# Altium PCB Mother_board_SSL2018.PcbDoc (part 2 of 2)
Units mm, origin at the board's own origin, x right, y up, seen from the top; angles counter-clockwise.
Board outline 169 x 150.57 mm, 2 copper layers (Top Layer, Bottom Layer), stack 1.57 mm thick; 100 components, 103 nets, 445 pads, 331 vias.
Unrouted connection lines stored in the file: 4.
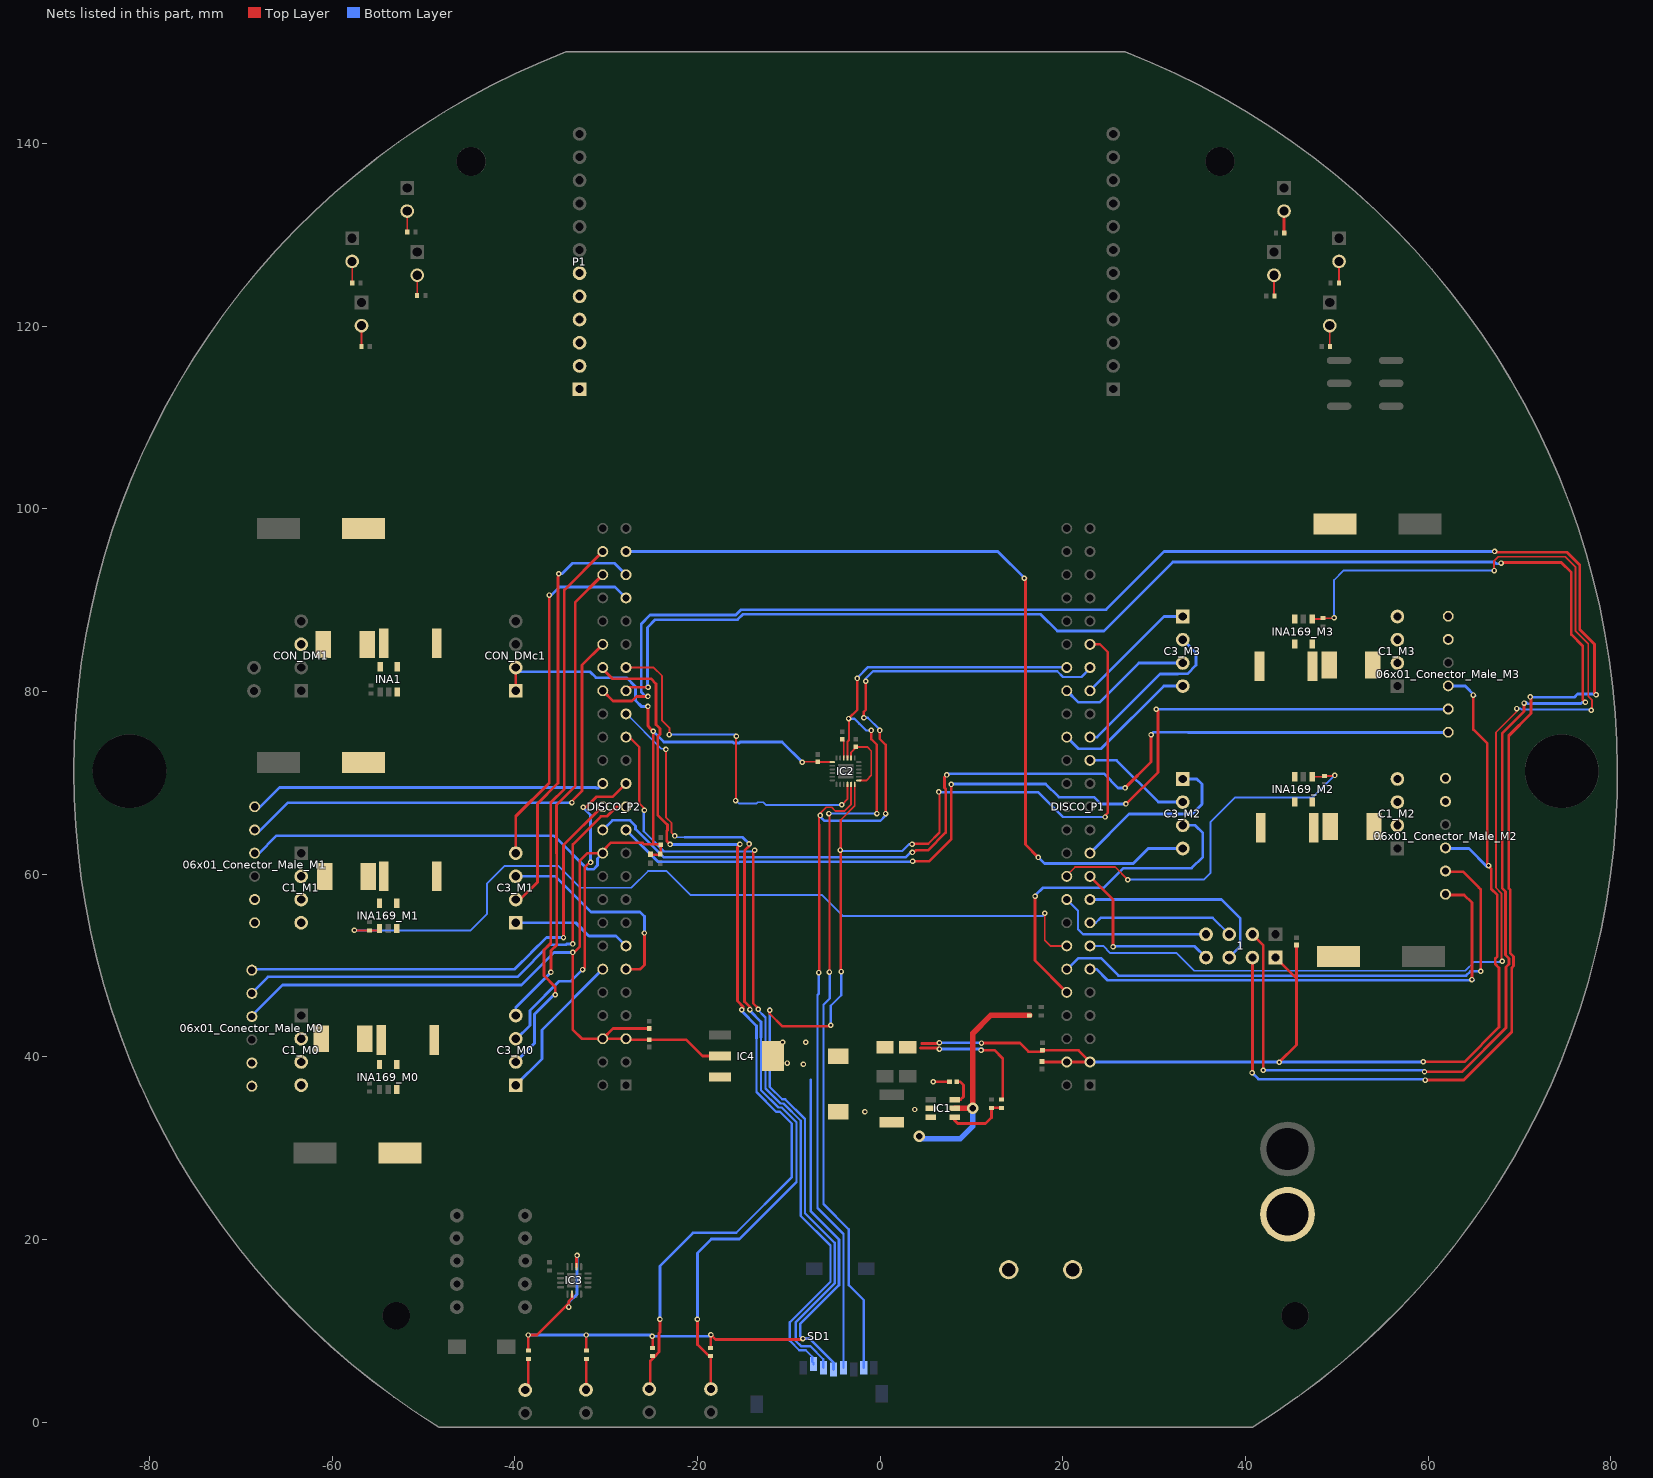
[diagram p2: the nets of this part, all layers, seen from the top]

## Via types
v1: diameter 0.6, hole 0.3, Top Layer to Bottom Layer, 167 vias
v2: diameter 0.8, hole 0.6, Top Layer to Bottom Layer, 160 vias
v3: diameter 1.27, hole 0.711, Top Layer to Bottom Layer, 4 vias

## Nets (pads, with @x,y where several pads share a name; then routed paths per layer and width w, separated by ;. In a path a pad name is that pad's centre, name@x,y a point inside that pad or via, vN(x,y) a via of type N, cw(c..) or ccw(c..) an arc to the next point about the centre after c; other vN are vias at no path point) (continued)
M0_ENCA: 06x01_Conector_Male_M0.5 DISCO_P2.25 | length 55.7
  Top Layer w0.3: v1(-33.638,52.351) -33.638,60.923 -33.638,63.262 -30.577,66.323 -29.928,66.323 -28.878,67.374 DISCO_P2.25@-27.823,67.374
  Bottom Layer w0.3: 06x01_Conector_Male_M0.5@-68.717,47.054 -67.017,48.754 -39.702,48.754 -36.177,52.279 -34.377,52.279 -34.305,52.351 v1(-33.638,52.351)
M0_ENCB: 06x01_Conector_Male_M0.6 DISCO_P2.26 | length 51.6
  Top Layer w0.3: v1(-34.663,53.054) -34.663,63.169 -30.458,67.374 DISCO_P2.26@-30.363,67.374
  Bottom Layer w0.3: 06x01_Conector_Male_M0.6@-68.717,49.594 -39.998,49.594 -38.188,51.404
  Bottom Layer w0.32: -38.188,51.404 -36.538,53.054 v1(-34.663,53.054)
M0_MAH: C3_M0.0 DISCO_P2.46 | length 52.4
  Top Layer w0.3: v1(-36.038,49.254) -36.038,51.618 -35.4,52.256 -35.4,52.73 -35.413,52.743 -35.413,53.364 -35.4,53.377 -35.4,62.266 -35.425,62.291 -35.425,67.567 -33.383,69.609 -33.383,89.754 DISCO_P2.46@-30.363,92.774
  Bottom Layer w0.3: C3_M0.0@-39.888,44.514 -39.888,45.404 v1(-36.038,49.254) v1@-36.038,49.404
M0_MAL: C3_M0.1 DISCO_P2.27 | length 35.6
  Top Layer w0.3: v1(-32.575,49.55) -32.35,49.775 -32.35,60.725 v1@-31.75,61.325 ; v1(-32.5,67.325) -32.175,67.325 -31.025,68.475 -29.262,68.475 DISCO_P2.27@-27.823,69.914
  Bottom Layer w0.3: C3_M0.1@-39.888,41.974 -39.801,41.974 -38.338,43.437 -38.338,45.064 -35.127,48.275 -33.85,48.275 v1(-32.575,49.55) ; v1@-32.475,67.25 -31.7,66.475 v1(-31.7,61.275)
M0_MBH: C3_M0.2 DISCO_P2.48 | length 61.6
  Top Layer w0.3: v1(-35.563,46.779) -35.563,47.654 -36.788,48.879 -36.788,51.704 -36.063,52.429 -36.063,67.829 -34.568,69.324 -34.568,91.109 DISCO_P2.48@-30.363,95.314
  Bottom Layer w0.3: C3_M0.2@-39.383,39.434 C3_M0.2@-39.888,39.434 -37.838,41.484 -37.838,44.654 -35.563,46.929 v1(-35.563,46.779)
M0_MBL: C3_M0.3 DISCO_P2.12 | length 16.6
  Bottom Layer w0.3: C3_M0.3@-39.888,36.894 -37.013,39.769 -37.013,42.944 DISCO_P2.12@-30.363,49.594
M1_CUR: DISCO_P1.14 INA169_M1.1 R10_M1.2 | length 92.5
  Top Layer w0.2: v1(-57.557,53.843) R10_M1.2@-55.89,53.843 -55.026,53.843 INA169_M1.1@-54.808,54.061 ; v1(18.025,55.725) 18.025,52.75 18.641,52.134 DISCO_P1.14@20.437,52.134
  Bottom Layer w0.2: v1(-57.557,53.843) -44.832,53.843 -43.05,55.625 -43.05,58.95 -41.096,60.904 -35.229,60.904 -32.825,58.5 -27.225,58.5 -27.225,58.515 -25.415,60.325 -23.375,60.325 -20.772,57.722 -6.397,57.722 -4.1,55.425 17.825,55.425
M1_ENCA: 06x01_Conector_Male_M1.5 DISCO_P2.40 | length 54.5
  Top Layer w0.3: v1(-33.738,67.829) -33.738,67.998 -32.638,69.098 -32.638,82.879 DISCO_P2.40@-30.363,85.154
  Bottom Layer w0.3: 06x01_Conector_Male_M1.5@-68.336,64.707 -67.96,64.707 -64.863,67.804 v1@-33.813,67.804
M1_ENCB: 06x01_Conector_Male_M1.6 DISCO_P2.28 | length 39.1
  Bottom Layer w0.3: 06x01_Conector_Male_M1.6@-68.336,67.247 -67.995,67.247 -65.767,69.475 -31.121,69.475 -31.069,69.422 -30.854,69.422 DISCO_P2.28@-30.363,69.914
M1_MAH: C3_M1.0 DISCO_P2.43 | length 39.1
  Top Layer w0.3: C3_M1.0@-39.888,62.294 -39.888,66.329 -36.213,70.004 v1(-36.213,90.554) v1@-36.213,90.629
  Bottom Layer w0.3: v1(-36.213,90.554) -35.988,90.554 -35.113,91.429 -29.018,91.429 DISCO_P2.43@-27.823,90.234
M1_MAL: C3_M1.1 DISCO_P2.11 | length 23.2
  Top Layer w0.3: DISCO_P2.11@-27.823,49.594 -26.25,49.594 -26.25,49.6 -25.8,50.05 v1@-25.8,53.35
  Bottom Layer w0.3: C3_M1.1@-39.888,59.754 -35.554,59.754 -31.654,55.854 -26.275,55.854 -25.8,55.379 v1(-25.8,53.55)
M1_MBH: C3_M1.2 DISCO_P2.45 | length 45.9
  Top Layer w0.3: C3_M1.2@-39.888,57.214 -39.403,57.214 -37.513,59.104 -37.513,67.704 -35.263,69.954 -35.263,92.529
  Bottom Layer w0.3: v1(-35.188,92.879) -34.838,92.879 -33.688,94.029 -29.078,94.029 DISCO_P2.45@-27.823,92.774
M1_MBL: C3_M1.3 DISCO_P2.13 | length 13.1
  Bottom Layer w0.32: C3_M1.3@-39.888,54.674 -33.333,54.674 -31.888,53.229 -28.918,53.229 DISCO_P2.13@-27.823,52.134
M2_CUR: DISCO_P1.20 INA169_M2.1 R10_M2.2 | length 40.7
  Top Layer w0.2: DISCO_P1.20@20.437,59.754 20.437,59.862 21.35,60.775 25.725,60.775 v1(27.125,59.375) ; INA169_M2.1@47.295,70.654 48.54,70.654 R10_M2.2@48.631,70.745 v1@49.696,70.745
  Bottom Layer w0.2: v1@27.25,59.4 35.45,59.4 36.175,60.125 36.175,65.725 38.825,68.375 47.333,68.375 v1(49.762,70.804)
M2_ENCA: 06x01_Conector_Male_M2.5 DISCO_P1.12 | length 60.3
  Top Layer w0.3: 06x01_Conector_Male_M2.5@62.093,60.262 63.829,60.262 65.562,58.529 65.55,58.517 65.75,58.317 v1(65.75,49.35)
  Bottom Layer w0.3: DISCO_P1.12@20.437,49.594 20.519,49.594 21.725,50.8 24.175,50.8 26.096,48.879 64.158,48.879 64.63,49.35 v1(65.75,49.35)
M2_ENCB: 06x01_Conector_Male_M2.6 DISCO_P1.11 | length 54
  Top Layer w0.3: 06x01_Conector_Male_M2.6@62.093,57.722 63.944,57.722 64.792,56.874 v1(64.792,48.451)
  Bottom Layer w0.3: DISCO_P1.11@22.977,49.594 23.672,49.594 24.887,48.379 v1@64.976,48.379
M2_MAH: C3_M2.0 DISCO_P2.47 | length 92.9
  Top Layer w0.3: v1@15.962,92.404 15.912,92.354 15.912,63.229 v1(17.312,61.829)
  Bottom Layer w0.3: DISCO_P2.47@-27.823,95.314 12.877,95.314 v1(15.787,92.404) ; v1@17.237,61.929 18.012,61.154 27.712,61.154 29.36,62.802 C3_M2.0@33.137,62.802
M2_MAL: C3_M2.1 DISCO_P1.10 | length 37.2
  Top Layer w0.3: v1(16.962,57.579) 16.962,50.529 DISCO_P1.10@20.437,47.054
  Bottom Layer w0.3: v1@17.012,57.704 17.808,58.5 24.475,58.5 26.629,60.654 34.112,60.654 35.337,61.879 35.337,64.504 34.499,65.342 C3_M2.1@33.137,65.342
M2_MBH: C3_M2.2 DISCO_P1.29 | length 12.1
  Bottom Layer w0.3: DISCO_P1.29@22.977,72.454 25.887,72.454 30.459,67.882 C3_M2.2@33.137,67.882
M2_MBL: C3_M2.3 DISCO_P1.21 | length 19
  Bottom Layer w0.32: DISCO_P1.21@22.977,62.294 27.262,66.579 34.162,66.579 35.237,67.654 35.237,69.854 34.669,70.422 C3_M2.3@33.137,70.422
M3_CUR: DISCO_P1.13 INA169_M3.1 R10_M3.2 | length 135
  Top Layer w0.2: INA169_M3.1@47.295,87.926 48.413,87.926 R10_M3.2@48.504,88.017 v1@49.624,88.017 ; v1(67.225,93.225) 67.2,93.25 67.2,94.26 67.687,94.747 75.003,94.747 76.125,93.625 76.125,86.625 77.525,85.225 77.525,79.49 77.925,79.09 77.925,78.025 v1(77.85,77.95) ; v1(68.1,50.45) 68.025,50.525 68.025,57.902 67.425,58.502 67.425,75.525 69.7,77.8 v1(69.7,78.125)
  Bottom Layer w0.2: DISCO_P1.13@22.977,52.134 24.427,52.134 25.21,51.35 32.475,51.35 34.4,49.425 64.068,49.425 65.018,50.375 67.8,50.375 ; v1(49.7,88.075) 49.7,92.2 50.725,93.225 v1(67.225,93.225) ; v1(69.7,78.125) 70.11,78.125 70.21,78.025 77.775,78.025 v1(77.85,77.95)
M3_ENCA: 06x01_Conector_Male_M3.5 DISCO_P2.23 | length 108.2
  Top Layer w0.3: v1(3.55,61.4) 5.35,61.4 7.8,63.85 v1(7.8,69.811) ; v1@26.937,67.654 30.412,71.129 30.412,77.879 v1(30.237,78.054)
  Bottom Layer w0.3: DISCO_P2.23@-27.968,64.729 DISCO_P2.23@-27.718,64.729 ; DISCO_P2.23@-27.823,64.834 DISCO_P2.23@-27.718,64.729 ; v1(3.55,61.4) 3.555,61.4 3.605,61.35 -24.339,61.35 DISCO_P2.23@-27.718,64.729 ; v1@7.825,69.875 18.125,69.875 19.576,68.424 23.412,68.424 24.157,67.679 v1(26.912,67.679) ; v1(30.237,78.054) 33.75,78.054 33.762,78.042 06x01_Conector_Male_M3.5@62.093,78.042
M3_ENCB: 06x01_Conector_Male_M3.6 DISCO_P2.24 | length 107
  Top Layer w0.3: v1(3.541,62.371) 3.579,62.371 3.625,62.325 3.9,62.6 5.225,62.6 7.175,64.55 7.175,69.311 7.05,69.436 7.05,70.617 v1(7.287,70.854) ; v1@26.837,69.454 29.662,72.279 v1(29.662,75.254)
  Bottom Layer w0.3: DISCO_P2.24@-30.363,64.834 -29.313,65.884 -27.388,65.884 -26.773,65.268 -26.773,64.923 -23.7,61.85 2.814,61.85 3.339,62.375 3.344,62.371 v1(3.541,62.371) ; v1@7.487,70.929 7.558,71 24.491,71 26.062,69.429 v1(26.812,69.429) ; v1(29.662,75.254) 29.937,75.529 33.683,75.529 33.71,75.502 06x01_Conector_Male_M3.6@62.093,75.502
M3_MAH: C3_M3.0 DISCO_P1.32 | length 16.1
  Bottom Layer w0.3: DISCO_P1.32@20.437,74.994 21.712,73.719 24.202,73.719 31.065,80.582 C3_M3.0@33.137,80.582
M3_MAL: C3_M3.1 DISCO_P1.36 | length 15
  Bottom Layer w0.3: DISCO_P1.36@20.437,80.074 21.707,78.804 24.012,78.804 28.33,83.122 C3_M3.1@33.137,83.122
M3_MBH: C3_M3.2 DISCO_P1.31 | length 18.3
  Bottom Layer w0.3: DISCO_P1.31@22.977,74.994 23.752,74.994 30.662,81.904 32.622,81.904 32.64,81.922 33.634,81.922 34.587,82.874 34.587,84.212 C3_M3.2@33.137,85.662
M3_MBL: C3_M3.3 DISCO_P1.35 | length 13.5
  Bottom Layer w0.3: DISCO_P1.35@22.977,80.074 22.977,80.094 31.085,88.202 C3_M3.3@33.137,88.202
MA_M0: 06x01_Conector_Male_M0.2 C1_M0.1
MA_M1: 06x01_Conector_Male_M1.2 C1_M1.1
MA_M2: 06x01_Conector_Male_M2.2 C1_M2.1
MA_M3: 06x01_Conector_Male_M3.2 C1_M3.1
MB_M0: 06x01_Conector_Male_M0.1 C1_M0.0
MB_M1: 06x01_Conector_Male_M1.1 C1_M1.0
MB_M2: 06x01_Conector_Male_M2.1 C1_M2.0
MB_M3: 06x01_Conector_Male_M3.1 C1_M3.0
MPU_CS: DISCO_P2.37 IC2.22 | length 40
  Top Layer w0.2: DISCO_P2.37@-27.823,82.614 -24.798,82.614 -23.875,81.691 -23.875,76.8 -23.075,76 v1(-23.075,75.275) ; v1(-15.825,68.05) -15.775,68.1 -15.775,75.05 v1(-15.725,75.1) ; v1(-4.2,67.6) -4.168,67.6 -3.575,68.193 IC2.22@-3.575,69.811
  Bottom Layer w0.2: v1(-23.075,75.275) -15.9,75.275 v1(-15.725,75.1) ; v1@-15.775,68.05 -15.45,67.725 -13.54,67.725 -13.39,67.875 -12.81,67.875 -12.485,67.55 -4.25,67.55 v1(-4.2,67.6)
NetBAT_0: BAT.0 SW.0
NetC1_1: C1.1 IC1.6 | length 3.3
  Top Layer w0.3: IC1.6@8.148,35.304 8.814,35.304 9.134,35.624 9.134,36.894 8.753,37.275 C1.1@8.391,37.275
NetC1_2: C1.2 IC1.2 L1.1 | length 1.8
  Top Layer w0.3: v1(5.832,37.275) C1.2@7.591,37.275
  other v1: -1.661,33.973 3.8,34.227
NetC1_M0_2: C1_M0.2 FM_M0.1
NetC1_M1_2: C1_M1.2 FM_M1.1
NetC1_M2_2: C1_M2.2 FM_M2.1
NetC1_M3_2: C1_M3.2 FM_M3.1
NetC5_1: C5.1 IC2.10 | length 2
  Top Layer w0.2: IC2.10@-3.975,72.707 C5.1@-3.975,74.7
NetC7_1: C7.1 IC2.1 IC2.8 | length 7.5
  Top Layer w0.2: IC2.8@-3.175,72.711 -3.175,73.328 -2.578,73.925 -1.425,73.925 -0.975,73.475 -0.975,70.8 -1.475,70.26 IC2.1@-2.275,70.26
NetCON_DM1_1: CON_DM1.1 DF1.1
NetDF1_2: DF1.2 INA1.5 RD1.1
NetFM_M0_2: FM_M0.2 INA169_M0.5 R11_M0.1
NetFM_M1_2: FM_M1.2 INA169_M1.5 R11_M1.1
NetFM_M2_2: FM_M2.2 INA169_M2.5 R11_M2.1
NetFM_M3_2: FM_M3.2 INA169_M3.5 R11_M3.1
NetIC1_4: IC1.4 R1.1 R2.2 | length 7
  Top Layer w0.3: IC1.4@8.148,33.404 8.148,33.054 8.499,32.703 11.547,32.703 12.182,33.338 R2.2@12.182,34.412 R1.1@13.286,34.412
NetLED1_2: LED1.2 RL1.2 | length 3.4
  Top Layer w0.3: LED1.2@-38.512,3.57 RL1.2@-38.512,6.93
NetLED2_2: LED2.2 RL2.2 | length 3.4
  Top Layer w0.3: LED2.2@-32.162,3.57 RL2.2@-32.162,6.93
NetLED_BALL_L1_2: LED_BALL_L1.2 R6.2 | length 2.3
  Top Layer w0.2: R6.2@49.2,117.775 49.225,117.8 LED_BALL_L1.2@49.225,120.042
NetLED_BALL_R1_2: LED_BALL_R1.2 R7.2 | length 2.3
  Top Layer w0.2: LED_BALL_R1.2@-56.775,120.042 -56.775,117.85 R7.2@-56.725,117.8
NetLED_COM_L1_2: LED_COM_L1.2 R8.2 | length 2.4
  Top Layer w0.3: LED_COM_L1.2@44.225,132.584 44.225,130.325 R8.2@44.35,130.2
NetLED_COM_R1_2: LED_COM_R1.2 R9.2 | length 2.3
  Top Layer w0.2: LED_COM_R1.2@-51.775,132.584 -51.775,130.325 R9.2@-51.75,130.3
NetLED_GREEN_L1_2: LED_GREEN_L1.2 R12.2 | length 2.3
  Top Layer w0.2: R12.2@43.125,123.3 LED_GREEN_L1.2@43.125,125.565 ; R12.2@43.136,123.2 R12.2@43.161,123.225
NetLED_GREEN_R1_2: LED_GREEN_R1.2 R13.2 | length 2.3
  Top Layer w0.2: LED_GREEN_R1.2@-50.675,125.565 -50.675,123.35 R13.2@-50.65,123.325
NetLED_ORANGE_L1_2: LED_ORANGE_L1.2 R14.2 | length 2.4
  Top Layer w0.2: LED_ORANGE_L1.2@50.25,127.08 50.25,124.75 R14.2@50.275,124.725
NetLED_ORANGE_R1_2: LED_ORANGE_R1.2 R15.2 | length 2.3
  Top Layer w0.2: R15.2@-57.825,124.75 -57.8,124.775 LED_ORANGE_R1.2@-57.8,127.08
NRF_CE: 1.2 DISCO_P2.35 | length 218.2
  Top Layer w0.3: DISCO_P2.35@-27.823,80.074 -27.447,80.45 v1(-25.4,80.45) ; 1.2@40.757,53.404 41.957,52.204 v1@41.957,38.575 ; v1(59.6,38.35) 63.7,38.35 68.525,43.175 68.525,49.814 68.85,50.139 68.85,50.761 68.475,51.136 68.475,58.088 68.1,58.463 68.1,75.4 70.5,77.8 v1(70.5,78.725) ; v1(67.979,94.047) 67.934,94.047 67.856,94.125 74.575,94.125 75.675,93.025 75.675,86.225 76.925,84.975 76.925,79.1 v1(77.225,78.8)
  Bottom Layer w0.3: v1@-25.55,80.575 -25.475,80.65 -25.475,87 -24.621,87.854 -15.595,87.854 -14.999,88.45 17.575,88.45 19.4,86.625 24.5,86.625 32.05,94.175 67.275,94.175 67.475,93.975 67.906,93.975 v1(67.979,94.047) ; v1(41.95,38.525) v1@59.625,38.525 ; v1(70.5,78.725) 70.689,78.725 70.739,78.775 70.864,78.65 71.486,78.65 71.511,78.675 76.739,78.675 76.864,78.8 v1(77.225,78.8)
NRF_CS#: 1.6 DISCO_P2.36 | length 225
  Top Layer w0.3: DISCO_P2.36@-30.363,80.074 -29.239,78.95 -27.175,78.95 -26.675,79.45 v1(-25.415,79.45) ; v1@40.757,38.3 1.6@40.757,50.864 ; v1(59.678,37.445) 63.895,37.445 69.15,42.7 69.15,49.732 69.35,49.932 69.35,50.968 68.975,51.343 68.975,58.295 68.825,58.445 68.825,75.15 71.25,77.575 71.25,79.275 71.125,79.4 v1(71.175,79.4) ; v1(67.275,95.325) 67.35,95.25 75.175,95.25 76.6,93.825 76.6,86.786 78.225,85.161 78.225,79.8 v1@78.5,79.525
  Bottom Layer w0.3: v1(-25.415,79.45) -25.675,79.45 -26.15,79.925 -26.15,87.4 -25.196,88.354 -15.802,88.354 -15.206,88.95 24.75,88.95 31.15,95.35 31.175,95.325 v1(67.275,95.325) ; v1(40.725,38.25) 41.425,37.55 59.573,37.55 v1(59.678,37.445) ; v1(71.175,79.4) 71.225,79.35 75.993,79.35 76.368,79.725 78.45,79.725 78.379,79.654 v1(78.379,79.647)
NRF_IRQ: 1.4 DISCO_P1.19 | length 19.4
  Top Layer w0.3: DISCO_P1.19@22.977,59.754 25.5,57.231 v1(25.5,52.05)
  Bottom Layer w0.3: v1@25.562,52.154 25.612,52.104 34.437,52.104 1.4@35.677,50.864
S1: DISCO_P2.33 RS1.1 SENSOR1.2 | length 94.1
  Top Layer w0.2: v1(-23.45,73.65) -23.45,66.211 -22.838,65.599 -22.838,65.15 ; -22.838,65.1 -22.838,64.538 v1(-22.475,64.175)
  Top Layer w0.3: v1@-19.982,11.25 -19.982,8.482 -18.7,7.2 -18.584,7.2 RS1.1@-18.55,7.234 SENSOR1.2@-18.55,3.747 ; v1(-14.251,45.17) -14.251,45.438 -14.85,46.037 -14.85,62.214 -14.825,62.239 -14.825,62.586 -14.2,63.211 -14.2,63.3 v1(-14.35,63.3) -14.35,63.371 -14.311,63.411 v1@-14.236,63.411
  Bottom Layer w0.2: DISCO_P2.33@-27.823,77.534 -27.768,77.534 -23.963,73.729 v1@-23.375,73.729 ; v1(-22.475,64.175) -22.325,64.025 -21.375,64.025
  Bottom Layer w0.255: -15.4,20.05 -9.158,26.292 -9.158,32.821 -10.774,34.437 -11.131,34.437 -13.032,36.339 -13.032,42.1
  Bottom Layer w0.3: -21.375,64.025 -15.039,64.025 -14.314,63.3 v1(-14.35,63.3) ; v1(-20,11.275) -20,18.525 -18.475,20.05 -15.4,20.05 ; v1(-14.251,45.17) -14.251,45.04 -13.032,43.822 -13.032,42.1
S2: DISCO_P2.38 RS2.1 SENSOR2.2 | length 104.8
  Top Layer w0.3: DISCO_P2.38@-30.363,82.614 -30.363,82.438 -29.325,81.4 -25.1,81.4 -24.525,80.825 -24.525,76.361 -24.1,75.936 -24.1,75.314 -24.35,75.064 -24.35,66.475 -23.325,65.45 -23.325,65.448 -23.288,65.411 -23.288,64.789 -23.35,64.727 -23.35,63.6 v1(-23,63.25) ; SENSOR2.2@-25.157,3.749 -25.157,6.7 -24.925,6.9 ; RS2.1@-24.9,7.234 -24.925,6.9 ; v1(-24.1,11.275) -24.1,9.825 -24.207,9.718 -24.2,9.711 -24.2,7.701 -24.207,7.694 -24.748,7.096 -24.925,6.9 ; v1(-15.35,63.275) -15.35,63.2 -15.625,62.925 -15.625,46.105 -15.001,45.481 -15.001,45.295 v1(-15.151,45.145)
  Bottom Layer w0.255: -15.757,20.725 -9.657,26.825 -9.657,32.678 -10.962,33.982 -11.383,33.982 -13.532,36.132 -13.532,41.99
  Bottom Layer w0.3: v1(-24.1,11.275) -24.1,17.1 -20.475,20.725 -15.757,20.725 ; v1(-23,63.25) -15.475,63.25 -15.425,63.2 v1(-15.35,63.275) ; v1(-15.151,45.145) -15.151,45.001 -13.532,43.382 -13.532,41.99
SPI1_MISO: 1.0 DISCO_P1.18 | length 18
  Bottom Layer w0.255: DISCO_P1.18@20.437,57.214 21.662,55.989 21.662,53.954 22.212,53.404 1.0@35.677,53.404
SPI1_MOSI: 1.5 DISCO_P1.17 | length 22.1
  Bottom Layer w0.3: DISCO_P1.17@22.977,57.214 37.377,57.214 39.417,55.174 39.417,52.064 1.5@38.217,50.864
SPI1_SCK: 1.1 DISCO_P1.15 | length 16.2
  Bottom Layer w0.255: DISCO_P1.15@22.977,54.674 23.607,54.674 24.137,55.204 36.417,55.204 1.1@38.217,53.404
SPI2.MISO: DISCO_P1.38 IC2.9 SD1.7 | length 113
  Top Layer w0.2: IC2.9@-3.575,72.711 -3.575,74.525
  Top Layer w0.255: v1(-5.6,66.625) -5.55,66.575 v1(-5.55,49.275) ; -3.547,74.525 -3.4,74.672 v1@-3.4,77.075 ; v1(-3.45,77.025) v1@-3.4,77.075 ; v1(-2.5,81.425) -2.5,77.975 v1@-3.4,77.075 ; v1(-0.975,75.725) -0.975,74.775 -0.35,74.15 v1(-0.35,66.625)
  Bottom Layer w0.255: v1(-5.6,66.625) v1(-0.35,66.625) ; v1@-5.5,49.275 -5.5,46.4 -6.195,45.705 -6.195,23.87 -3.425,21.1 -3.425,15 -1.801,13.376 SD1.7@-1.801,5.955 ; v1(-3.45,77.025) -2.821,77.025 -2.771,76.975 -2.274,76.477 -1.521,75.725 v1(-0.975,75.725) ; v1@-2.425,81.55 -1.316,82.659 20.392,82.659 DISCO_P1.38@20.437,82.614
SPI2.MOSI: DISCO_P1.39 IC2.24 SD1.3 | length 136.9
  Top Layer w0.2: -4.325,65.919 -2.775,67.469 -2.775,67.55 IC2.24@-2.775,69.811
  Top Layer w0.255: v1(-12.075,45.1) -12.075,44.7 -10.7,43.325 -5.5,43.325 v1@-5.425,43.4 ; v1@-4.325,49.525 -4.325,65.919 ; v1@3.65,63.325 5.275,63.325 6.503,64.553 6.503,68.922 v1(6.425,69) ; DISCO_P1.39@22.977,85.154 24.071,85.154 24.925,84.3 24.925,66.7 24.625,66.4 v1(24.625,66.25)
  Bottom Layer w0.255: v1@-12.1,45.3 -12.1,36.725 -10.722,35.347 -10.397,35.347 -8.225,33.175 -8.225,22.875 -4.983,19.633 -4.983,15.19 -9.25,10.923 -9.25,8.921 -8.654,8.325 -7.658,8.325 -6.225,6.892 -6.225,5.979 SD1.3@-6.201,5.955 ; v1(-5.4,43.45) -5.4,45.575 -4.25,46.725 v1(-4.25,49.325) ; v1@-4.325,62.525 2.425,62.525 3.171,63.271 v1(3.5,63.271) ; v1@6.325,68.975 17.3,68.975 20.025,66.25 v1(24.625,66.25)
  other v1: -4.35,62.625
SPI2.SCK: DISCO_P1.37 IC2.23 SD1.5 | length 117.9
  Top Layer w0.2: -6.675,65.475 -6.675,66.54 -5.89,67.325 -5.31,67.325 -4.885,66.9 -3.91,66.9 -3.175,67.635 IC2.23@-3.175,69.811
  Top Layer w0.255: v1(-6.725,49.225) -6.675,49.275 -6.675,65.425 ; v1(-1.775,77.125) -1.775,77.775 -1.575,77.975 v1(-1.575,81.125) ; v1(-0.05,75.725) -0.05,74.8 0.6,74.15 v1(0.6,66.625)
  Bottom Layer w0.255: v1(-6.725,49.225) -6.725,46.9 -6.85,46.775 -6.85,23.45 -4.001,20.601 SD1.5@-4.001,5.955 ; v1(-6.55,66.425) -6.675,66.425 -6.075,65.825 0.025,65.825 0.6,66.4 v1(0.6,66.625) ; v1(-1.775,77.125) -1.346,77.125 -0.05,75.829 v1(-0.05,75.725) ; v1@-1.6,81.377 -0.772,82.204 19.393,82.204 20.011,81.586 22.036,81.586 22.977,82.527 DISCO_P1.37@22.977,82.614
uSD_CS: DISCO_P2.31 SD1.2 | length 88
  Top Layer w0.255: DISCO_P2.31@-27.823,74.994 -27.469,74.994 -26.375,73.9 -26.375,67.749 v1@-25.625,66.999 ; v1(-13.75,62.6) -13.877,62.472 -13.877,45.826 -13.523,45.471 -13.523,45.373 v1(-13.35,45.2)
  Bottom Layer w0.255: v1(-25.8,66.999) -25.875,66.924 -25.875,64.7 -23.647,62.472 -13.877,62.472 v1(-13.75,62.6) ; v1(-13.35,45.2) -13.45,45.2 -12.555,44.305 -12.555,36.537 -10.911,34.892 -10.585,34.892 -8.68,32.987 -8.68,22.58 -5.438,19.338 -5.438,15.379 -9.875,10.942 -9.875,8.903 -8.842,7.87 -8.145,7.87 -7.425,7.15 -7.425,6.592 -7.301,6.468 SD1.2@-7.301,6.355
VBAT: C4.2 CD1.1 CM1_M0.1 CM1_M1.1 CM1_M2.1 CM1_M3.1 IC1.3 IC1.5 IC4.3 INA1.3 INA1.4 INA169_M0.3 INA169_M0.4 INA169_M1.3 INA169_M1.4 INA169_M2.3 INA169_M2.4 INA169_M3.3 INA169_M3.4 P1.1 P1.2 P1.3 P1.4 P1.5 P1.6 R3.2 R11_M0.2 R11_M1.2 R11_M2.2 R11_M3.2 RD1.2 SW.1 | length 25.7
  Top Layer w0.6: IC1.5@8.148,34.354 v3(10.15,34.354) 10.15,42.575 12.111,44.536 R3.2@16.373,44.536
  Bottom Layer w0.6: v3(4.3,31.279) 4.529,31.05 8.8,31.05 10.15,32.4 v3(10.15,34.354)
VCC: 1.7 06x01_Conector_Male_M0.4 06x01_Conector_Male_M1.4 06x01_Conector_Male_M2.4 06x01_Conector_Male_M3.4 C2.2 C3.2 C6.1 CON_DMc1.2 CON_DMc1.3 DISCO_P1.3 DISCO_P1.4 DISCO_P2.5 DISCO_P2.6 DISCO_P2.22 IC2.13 IC3.6 IC3.14 IC4.2 IC4.4 L1.2 MC_C1.2 MC_C2.1 MC_C3.2 MC_C4.2 MC_C5.2 MC_R1.2 MC_R2.2 NRF_C1.1 R1.2 RL1.1 RL2.1 RS1.2 RS2.2 SD1.4 | length 424.6
  Top Layer w0.2: v1@-8.25,72.3 C6.1@-6.825,72.3 ; C6.1@-6.775,72.261 IC2.13@-5.275,72.261
  Top Layer w0.3: CON_DMc1.3@-39.888,80.074 CON_DMc1.2@-39.888,82.614 ; RL1.1@-38.512,7.83 v1(-38.512,9.539) -37.561,9.539 -34.05,13.05 -34.05,13.255 -33.735,13.57 IC3.14@-33.735,14.017 ; IC3.6@-33.235,17.017 v1@-33.235,18.115 ; RL2.1@-32.162,7.83 -32.162,9.158 ; v1(-25.415,78.35) -25.415,76.24 -25.275,76.1 -25.3,76.075 v1(-24.85,75.625) -24.85,63.254 -25.862,63.254 -26.045,63.437 -29.474,63.437 -30.363,62.548 DISCO_P2.22@-30.363,62.294 -32.056,62.294 -32.875,61.475 -32.875,52.054 -33.5,51.429 v1(-33.638,51.429) -33.638,42.954 -32.658,41.974 DISCO_P2.6@-30.363,41.974 ; MC_C4.2@-25.156,43.098 MC_C4.2@-25.283,43.098 -29.239,43.098 DISCO_P2.6@-30.363,41.974 ; MC_R1.2@-25.138,62.179 -25.088,62.129 -24.038,62.129 -24.013,62.154 MC_C1.2@-24.013,63.204 -24.063,63.254 -24.8,63.254 ; RS2.2@-24.9,8.134 v1@-24.9,9.375 ; RS1.2@-18.55,8.134 -18.55,9.275 ; v1@-18.55,9.625 -18.55,9.275 ; v1(-18.525,9.575) -18,9.05 -8.55,9.05 v1(-8.45,9.15) ; v1@-18.425,9.4 -18.55,9.275 ; IC4.2@-17.536,40.083 -19.455,40.083 -21.246,41.874 -27.723,41.874 DISCO_P2.5@-27.823,41.974 DISCO_P2.6@-30.363,41.974 ; 4.435,40.958 v1@6.5,40.958 ; 4.562,41.466 v1@6.575,41.466 ; v1(11.05,40.725) 12.525,40.725 13.425,39.825 13.425,35.45 R1.2@13.286,35.312 ; v1(11.1,41.5) 15.308,41.5 16.25,40.558 17.77,40.558 17.916,40.704 21.707,40.704 DISCO_P1.3@22.977,39.434 DISCO_P1.4@20.437,39.434 17.916,39.434 MC_C3.2@17.77,39.58 ; 1.7@43.297,50.864 45.583,48.578 ; v1(43.687,39.404) 45.583,41.3 45.583,48.578 ; NRF_C1.1@45.583,52.242 45.583,48.578 ; v1(59.45,39.45) 63.958,39.45 67.75,43.242 67.75,49.739 67.35,50.139 67.35,50.761 67.575,50.986 67.575,57.716 66.912,58.379 66.912,60.579 66.612,60.879 v1(66.612,60.929) 66.475,61.066 66.475,74.3 64.95,75.825 v1(64.95,79.6)
  Bottom Layer w0.3: 06x01_Conector_Male_M0.4@-68.717,44.514 -68.717,44.575 -65.438,47.854 -39.263,47.854 -36.363,50.754 ; 06x01_Conector_Male_M1.4@-68.336,62.167 -68.1,62.167 -66.063,64.204 -35.725,64.204 ; CON_DMc1.2@-39.888,82.614 -39.428,82.154 -31.763,82.154 -31.117,81.508 -27.772,81.508 -26.773,80.508 -26.773,78.998 -26.1,78.325 -26.075,78.35 v1(-25.415,78.35) ; v1(-38.512,9.539) v1(-32.162,9.539) -25.089,9.539 v1(-24.95,9.4) -18.6,9.4 v1@-18.5,9.5 ; -36.338,50.779 -35.688,51.429 v1(-33.638,51.429) ; -35.611,64.125 -32.011,60.525 -31.389,60.525 -30.95,60.964 -30.95,61.707 DISCO_P2.22@-30.363,62.294 ; v1(-34.1,12.6) -34.1,13.075 -33.175,14 v1(-33.175,18.25) ; -24.6,75.375 -23.675,74.45 -16.136,74.45 -16.036,74.35 -15.414,74.35 -15.314,74.45 -10.725,74.45 v1(-8.525,72.25) ; -7.6,37.454 -7.6,23.1 -4.505,20.005 -4.505,14.992 -8.75,10.748 -8.75,9.45 v1(-8.45,9.15) -7.73,9.15 -5.101,6.521 SD1.4@-5.101,5.755 ; v1(6.5,40.85) v1@11.2,40.85 ; v1(6.5,41.525) v1@11.075,41.525 ; DISCO_P1.3@22.977,39.434 v1@59.625,39.434 ; 06x01_Conector_Male_M2.4@62.093,62.802 64.464,62.802 66.462,60.804 66.587,60.929 v1(66.612,60.929) ; 06x01_Conector_Male_M3.4@62.093,80.582 64.059,80.582 v1@65.12,79.52
  other v1: -8.392,39.18 -10.17,39.307 -10.678,41.593 -8.138,41.593
pads on no net: DISCO_P1.6 DISCO_P1.9 DISCO_P1.25 DISCO_P1.26 DISCO_P1.27 DISCO_P1.28 DISCO_P1.30 DISCO_P1.33 DISCO_P1.34 DISCO_P1.41 DISCO_P1.43 DISCO_P1.48 DISCO_P2.3 DISCO_P2.4 DISCO_P2.7 DISCO_P2.8 DISCO_P2.9 DISCO_P2.10 DISCO_P2.16 DISCO_P2.17 DISCO_P2.18 DISCO_P2.21 DISCO_P2.29 DISCO_P2.30 DISCO_P2.32 DISCO_P2.34 DISCO_P2.39 DISCO_P2.41 DISCO_P2.42 DISCO_P2.44 IC2.2 IC2.3 IC2.4 IC2.5 IC2.6 IC2.7 IC2.14 IC2.15 IC2.16 IC2.17 IC2.19 IC2.21 IC3.2 IC3.7 Kick1.1 Kick1.2 Kick1.3 SD1.1 SD1.8 SD1.M1 SD1.M2 SD1.M3 SD1.M4

## Polygon pours and split planes (outlines as drawn)
GND on Top Layer "Top Layer-No Net" (solid, remove dead copper, pour order 123): 87.747,154.115 82.647,148.506 82.647,-11.516 -107.068,-11.516 -112.961,-5.036 -102.195,6.804 -102.195,151.123
NetFM_M0_2 on Top Layer "Top Layer-No Net" (solid, remove dead copper, pour order 118): -53.731,45.067 -53.731,38.525 -57.78,38.525 -57.78,45.067
NetFM_M1_2 on Top Layer "Top Layer-No Net" (solid, remove dead copper, pour order 114): -53.604,58.357 -53.604,62.73 -57.541,62.73 -57.541,56.1 -53.604,56.1
VCC on Top Layer "Top Layer-No Net" (solid, remove dead copper, pour order 76): 4.816,42.482 4.816,39.434 -2.423,39.434 -2.423,38.164 -13.98,38.164 -13.98,39.053 -19.314,39.053 -19.314,41.466 -13.98,41.466 -13.98,42.482
VBAT on Top Layer "Top Layer-No Net" (solid, remove dead copper, pour order 68): 6.467,33.909 -0.391,33.909 -0.391,28.964 6.467,28.964
NetBAT_0 on Top Layer "Top Layer-No Net" (solid, remove dead copper, pour order 64): 47.65,18.325 48.725,19.4 48.725,25.52 47.912,26.353 40.853,26.353 40.028,25.528 40.028,23.403 35.293,18.668 27.932,11.698 20.884,11.725 18.056,11.725 16.821,12.96 16.821,19.437 10.852,19.437 10.852,12.987 9.834,11.769 7.169,11.779 7.169,3.974 30.509,3.974 45.164,18.413 45.252,18.325
VBAT on Top Layer "Top Layer-No Net" (solid, remove dead copper, pour order 44): 53.457,96.203 52.949,95.695 45.704,95.695 45.704,74.994 45.704,60.77 46.816,59.754 50.917,59.754 50.917,52.653 51.31,52.261 53.203,52.261 53.457,52.007 53.457,49.848 53.076,49.467 47.754,49.467 46.816,50.404 46.816,55.055 46.345,55.436 34.788,55.436 33.391,54.039 33.391,24.827 25.39,16.799 25.39,13.381 24.536,12.1 18.249,12.1 17.375,12.974 17.375,17.283 16.001,19.094 11.769,19.094 9.502,16.827 -17.536,16.799 -17.538,16.828 -18.935,18.225 -18.934,26.099 -20.203,27.369 -20.203,27.494 -46.917,27.494 -54.495,27.494 -56.779,27.494 -57.451,28.105 -57.451,31.153 -56.779,31.825 -53.731,31.825 -53.235,32.322 -53.236,69.406 -53.223,69.406 -53.731,69.914 -60.335,69.914 -60.845,70.422 -60.845,73.978 -60.208,74.607 -53.82,74.607 -53.18,75.248 -53.223,95.08 -53.731,95.695 -59.065,95.695 -59.639,96.268 -59.639,99.312 -59.065,99.886 -53.604,99.886 -53.124,100.394 -53.121,104.307 -45.605,111.824 -37.845,111.824 -35.697,113.948 -35.697,126.048 -34.681,127.064 -30.998,127.064 -29.982,126.048 -29.982,109.03 -33.017,105.995 -41.907,105.995 -44.335,103.567 -44.335,67.374 -44.335,35.624 -43.065,34.354 -19.568,34.354 -19.568,38.926 -15.504,38.926 -15.504,34.354 -12.583,31.433 -12.583,24.702 -12.229,24.375 1.385,24.375 1.385,28.964 5.195,28.964 5.195,24.375 21.913,24.375 26.736,29.198 26.788,57.595 29.707,60.514 35.675,60.516 35.675,97.054 38.611,100.474 52.695,100.474 53.457,99.712
DA on Top Layer "Top Layer-No Net" (solid, remove dead copper, pour order 3): -71.003,81.2 -62.315,81.2 -62.315,83.884 -71.003,83.884
MA_M1 on Top Layer "Top Layer-No Net" (solid, remove dead copper, pour order 13): -70.325,55.7 -70.325,58.24 -65.245,58.24 -62.324,58.24 -62.324,55.7 -65.245,55.7
MA_M2 on Top Layer "Top Layer-No Net" (solid, remove dead copper, pour order 21): 63.595,69.078 58.515,69.078 55.721,69.078 55.721,66.538 58.515,66.538 63.595,66.538
NetFM_M2_2 on Top Layer "Top Layer-No Net" (solid, remove dead copper, pour order 120): 50.79,62 50.79,68.588 46.599,68.588 46.599,66.81 46.599,62
NetC1_2 on Top Layer "Top Layer-No Net" (solid, remove dead copper, pour order 27): 6.467,35.116 6.467,33.592 3.038,33.592 3.038,35.116
NetC1_M3_2 on Top Layer "Top Layer-No Net" (solid, remove dead copper, pour order 25): 51.024,81.618 50.975,81.569 50.975,79.325 53.436,79.325 55.847,81.618 58.517,81.618 58.517,84.158 55.781,84.158 53.81,86.325 51.074,86.375 51.024,86.325
MB_M2 on Top Layer "Top Layer-No Net" (solid, remove dead copper, pour order 22): 63.617,71.69 58.537,71.69 55.743,71.69 55.743,69.15 58.537,69.15 58.553,69.166 63.617,69.166
NetC1_M1_2 on Top Layer "Top Layer-No Net" (solid, remove dead copper, pour order 14): -62.45,61.024 -60.97,62.802 -58.598,62.802 -58.575,62.825 -58.575,56.525 -61,56.525 -62.35,58.484 -63.383,58.484 -65.288,58.484 -65.288,61.024
NetFM_M3_2 on Top Layer "Top Layer-No Net" (solid, remove dead copper, pour order 122): 50.372,79.35 50.372,86.409 46.449,86.409 46.449,79.35
NetC1_2 on Top Layer "Top Layer-No Net" (solid, remove dead copper, pour order 26): -0.518,35.243 -0.518,32.703 -6.106,32.703 -6.106,35.243
MA_M3 on Top Layer "Top Layer-No Net" (solid, remove dead copper, pour order 23): 63.725,86.926 55.712,86.926 55.712,84.519 63.725,84.519
MB_M3 on Top Layer "Top Layer-No Net" (solid, remove dead copper, pour order 24): 63.652,89.705 58.572,89.705 55.778,89.705 55.778,87.165 58.572,87.165 63.652,87.165
MB_M1 on Top Layer "Top Layer-No Net" (solid, remove dead copper, pour order 12): -70.3,53.275 -70.3,55.815 -62.299,55.815 -62.299,53.275
MA_M0 on Top Layer "Top Layer-No Net" (solid, remove dead copper, pour order 11): -71.003,38.164 -71.003,40.704 -65.923,40.704 -62.315,40.704 -62.315,38.164 -65.923,38.164
MB_M0 on Top Layer "Top Layer-No Net" (solid, remove dead copper, pour order 10): -71.025,34.926 -71.025,38.015 -65.945,38.015 -62.338,38.015 -62.338,34.926
NetC1_M0_2 on Top Layer "Top Layer-No Net" (solid, remove dead copper, pour order 15): -62.356,43.244 -61.184,45.067 -58.95,45.067 -58.95,38.5 -61.184,38.505 -62.379,40.704 -63.383,40.704 -65.923,40.704 -65.923,43.244
NetC1_M2_2 on Top Layer "Top Layer-No Net" (solid, remove dead copper, pour order 20): 52.089,62.086 52.125,62.05 54.1,62.05 54.1,62.1 55.925,63.965 58.811,63.965 58.811,66.505 55.735,66.505 53.811,68.475 52.114,68.475 52.089,68.5
NetCON_DM1_1 on Top Layer "Top Layer-No Net" (solid, remove dead copper, pour order 1): -62.376,86.424 -60.8,88 -58.2,88 -58.2,82.325 -60.766,82.325 -62.272,83.884 -65.542,83.884 -65.542,86.424
DB on Top Layer "Top Layer-No Net" (solid, remove dead copper, pour order 2): -71.003,78.55 -62.315,78.55 -62.315,81.09 -71.003,81.09
NetDF1_2 on Top Layer "Top Layer-No Net" (solid, remove dead copper, pour order 0): -57.35,87.975 -57.35,81.852 -53.667,81.852 -53.667,87.975
GND on Bottom Layer "Top Layer-No Net" (solid, remove dead copper, pour order 112): 114.671,161.862 114.671,-14.668 114.925,-14.922 109.972,-19.875 -107.579,-19.875 -107.579,147.892 -98.181,157.29
DA on Bottom Layer "Top Layer-No Net" (solid, remove dead copper, pour order 5): -71.003,83.882 -62.315,83.882 -62.315,81.342 -71.003,81.342
MA_M2 on Bottom Layer "Top Layer-No Net" (solid, remove dead copper, pour order 19): 63.622,69.34 58.542,69.34 55.748,69.34 55.748,66.8 58.542,66.8 63.622,66.8
MB_M0 on Bottom Layer "Top Layer-No Net" (solid, remove dead copper, pour order 9): -70.969,34.951 -70.969,37.89 -65.889,37.89 -62.281,37.89 -62.281,34.951
MB_M1 on Bottom Layer "Top Layer-No Net" (solid, remove dead copper, pour order 7): -70.925,52.875 -70.925,55.59 -65.845,55.59 -62.237,55.59 -62.237,52.875
MA_M3 on Bottom Layer "Top Layer-No Net" (solid, remove dead copper, pour order 17): 63.576,86.99 58.496,86.99 55.702,86.99 55.702,84.3 63.576,84.3
MB_M3 on Bottom Layer "Top Layer-No Net" (solid, remove dead copper, pour order 16): 63.614,89.87 55.74,89.87 55.74,87 58.534,87 63.614,87
MB_M2 on Bottom Layer "Top Layer-No Net" (solid, remove dead copper, pour order 18): 63.614,72.076 58.611,72.076 55.74,72.076 55.74,69.475 58.55,69.475 63.614,69.475
NetBAT_0 on Bottom Layer "Top Layer-No Net" (solid, remove dead copper, pour order 28): 45.253,18.3 48.575,18.3 48.575,26.353 40.136,26.353 40.136,23.936 27.718,11.518 18.04,11.483 16.707,12.817 16.707,17.516 15.691,18.532 11.881,18.532 10.865,17.643 10.865,12.817 9.722,11.674 7.182,11.674 7.182,3.8 11.119,3.816 24.454,3.816 24.47,3.8 30.829,3.876
NetC1_2 on Bottom Layer "Top Layer-No Net" (solid, remove dead copper, pour order 70): 6.848,38.164 6.848,36.513 4.943,36.513 4.943,33.295 -2.423,33.295 -2.423,34.862 3.038,34.862 3.038,38.164 6.721,38.164
VCC on Bottom Layer "Top Layer-No Net" (solid, remove dead copper, pour order 80): -7.503,43.244 -11.313,43.244 -11.313,36.894 -7.503,36.894
MA_M1 on Bottom Layer "Top Layer-No Net" (solid, remove dead copper, pour order 6): -70.969,55.9 -70.969,58.525 -62.281,58.525 -62.281,55.9
MA_M0 on Bottom Layer "Top Layer-No Net" (solid, remove dead copper, pour order 8): -70.957,38.075 -70.957,40.754 -62.269,40.754 -62.269,38.075
DB on Bottom Layer "Top Layer-No Net" (solid, remove dead copper, pour order 4): -71.019,78.6 -62.331,78.6 -62.331,81.14 -71.019,81.14

## Keep-outs
Keep-Out Layer:
  lines w0.05: -88.193,71.184 -88.14,74.166 -87.982,77.144 -87.72,80.115 -87.352,83.075 -86.88,86.021 -86.305,88.947 -85.626,91.852 -84.846,94.731 -83.964,97.58 -82.983,100.397 -81.902,103.177 -80.724,105.917 -79.451,108.614 -78.082,111.264 -76.621,113.865 -75.07,116.412 -73.429,118.903 -71.701,121.335 -69.889,123.704 -67.994,126.007 -66.019,128.242 -63.967,130.406 -61.839,132.497 -59.639,134.511 -57.369,136.446 -55.032,138.299 -52.631,140.069 -50.17,141.754 -47.65,143.35 -45.076,144.857 -42.45,146.271 -39.776,147.592 -37.057,148.818 -34.296,149.947 26.91,149.947 29.661,148.822 32.37,147.602 35.035,146.286 37.652,144.878 40.218,143.378 42.729,141.79 45.183,140.114 47.577,138.352 49.907,136.508 52.171,134.583 54.366,132.579 56.489,130.5 58.537,128.347 60.509,126.123 62.401,123.831 64.212,121.475 65.938,119.056 67.578,116.578 69.131,114.043 70.593,111.456 71.963,108.819 73.24,106.135 74.421,103.409 75.506,100.642 76.493,97.839 77.38,95.003 78.168,92.137 78.854,89.245 79.438,86.332 79.919,83.399 80.297,80.451 80.571,77.492 80.741,74.525 80.806,71.554 80.767,68.582 80.623,65.614 80.375,62.653 80.023,59.702 79.568,56.765 79.009,53.846 78.349,50.949 77.586,48.076 76.723,45.233 75.761,42.421 74.701,39.645 73.543,36.908 72.29,34.213 70.943,31.564 69.504,28.964 67.974,26.416 66.355,23.924 64.65,21.49 62.86,19.117 60.988,16.809 59.036,14.568 57.007,12.398 54.902,10.299 52.725,8.277 50.478,6.332 48.164,4.467 45.786,2.685 43.347,0.987 40.849,-0.623 -48.235,-0.623 -50.722,0.98 -53.151,2.67 -55.52,4.443 -57.825,6.299 -60.063,8.234 -62.233,10.246 -64.33,12.333 -66.354,14.493 -68.3,16.721 -70.168,19.017 -71.953,21.376 -73.655,23.797 -75.272,26.275 -76.8,28.809 -78.239,31.395 -79.586,34.029 -80.841,36.709 -82,39.431 -83.064,42.193 -84.031,44.99 -84.898,47.818 -85.667,50.676 -86.334,53.559 -86.901,56.463 -87.365,59.385 -87.727,62.322 -87.986,65.27 -88.141,68.225 -88.193,71.184

## Other copper
Bottom Layer:
  pour cut-out: -14.975,18.175 -14.975,0.7 1.275,0.7 1.275,18.175

## Silkscreen, mask and mechanical layers (free items; w line width, h text height)
Top Overlay:
  text "Off" at 47.075,115.225 h1.4
  text "Y" at 46.9,110.075 h1.4
  text "ROBOIME" at -18.25,90.225 h4.5
  text "2018" at -11.575,83.975 h4.5
  text "100nF" at -23.375,65 h1.2 r270
  text "100nF" at 15.992,40.069 h1.2 r270
  text "100nF" at 26.025,39.815 h1.2 r270
  text "330R" at -24.298,7.099 h2
  text "100R" at -31.273,6.999 h2
  text "330R" at -17.973,6.999 h2
  text "100R" at -37.9,6.825 h2
Bottom Overlay:
  text "Speacial thanks to: / Prof Paulo Rosa / (LR)^2 / De Lima" at -28.839,140.526 h1.52 r180
  text "SE/3 IME" at -29.093,128.715 h2 r180
  text "GK OC" at -23.925,125.95 h2 r180
  text "IME18 IME19" at -29.35,122.925 h2 r180
Mechanical 1:
  the board outline again, w0.5